# Altium PCB PCB_MotherBoard.PcbDoc (part 2 of 4) (continued)
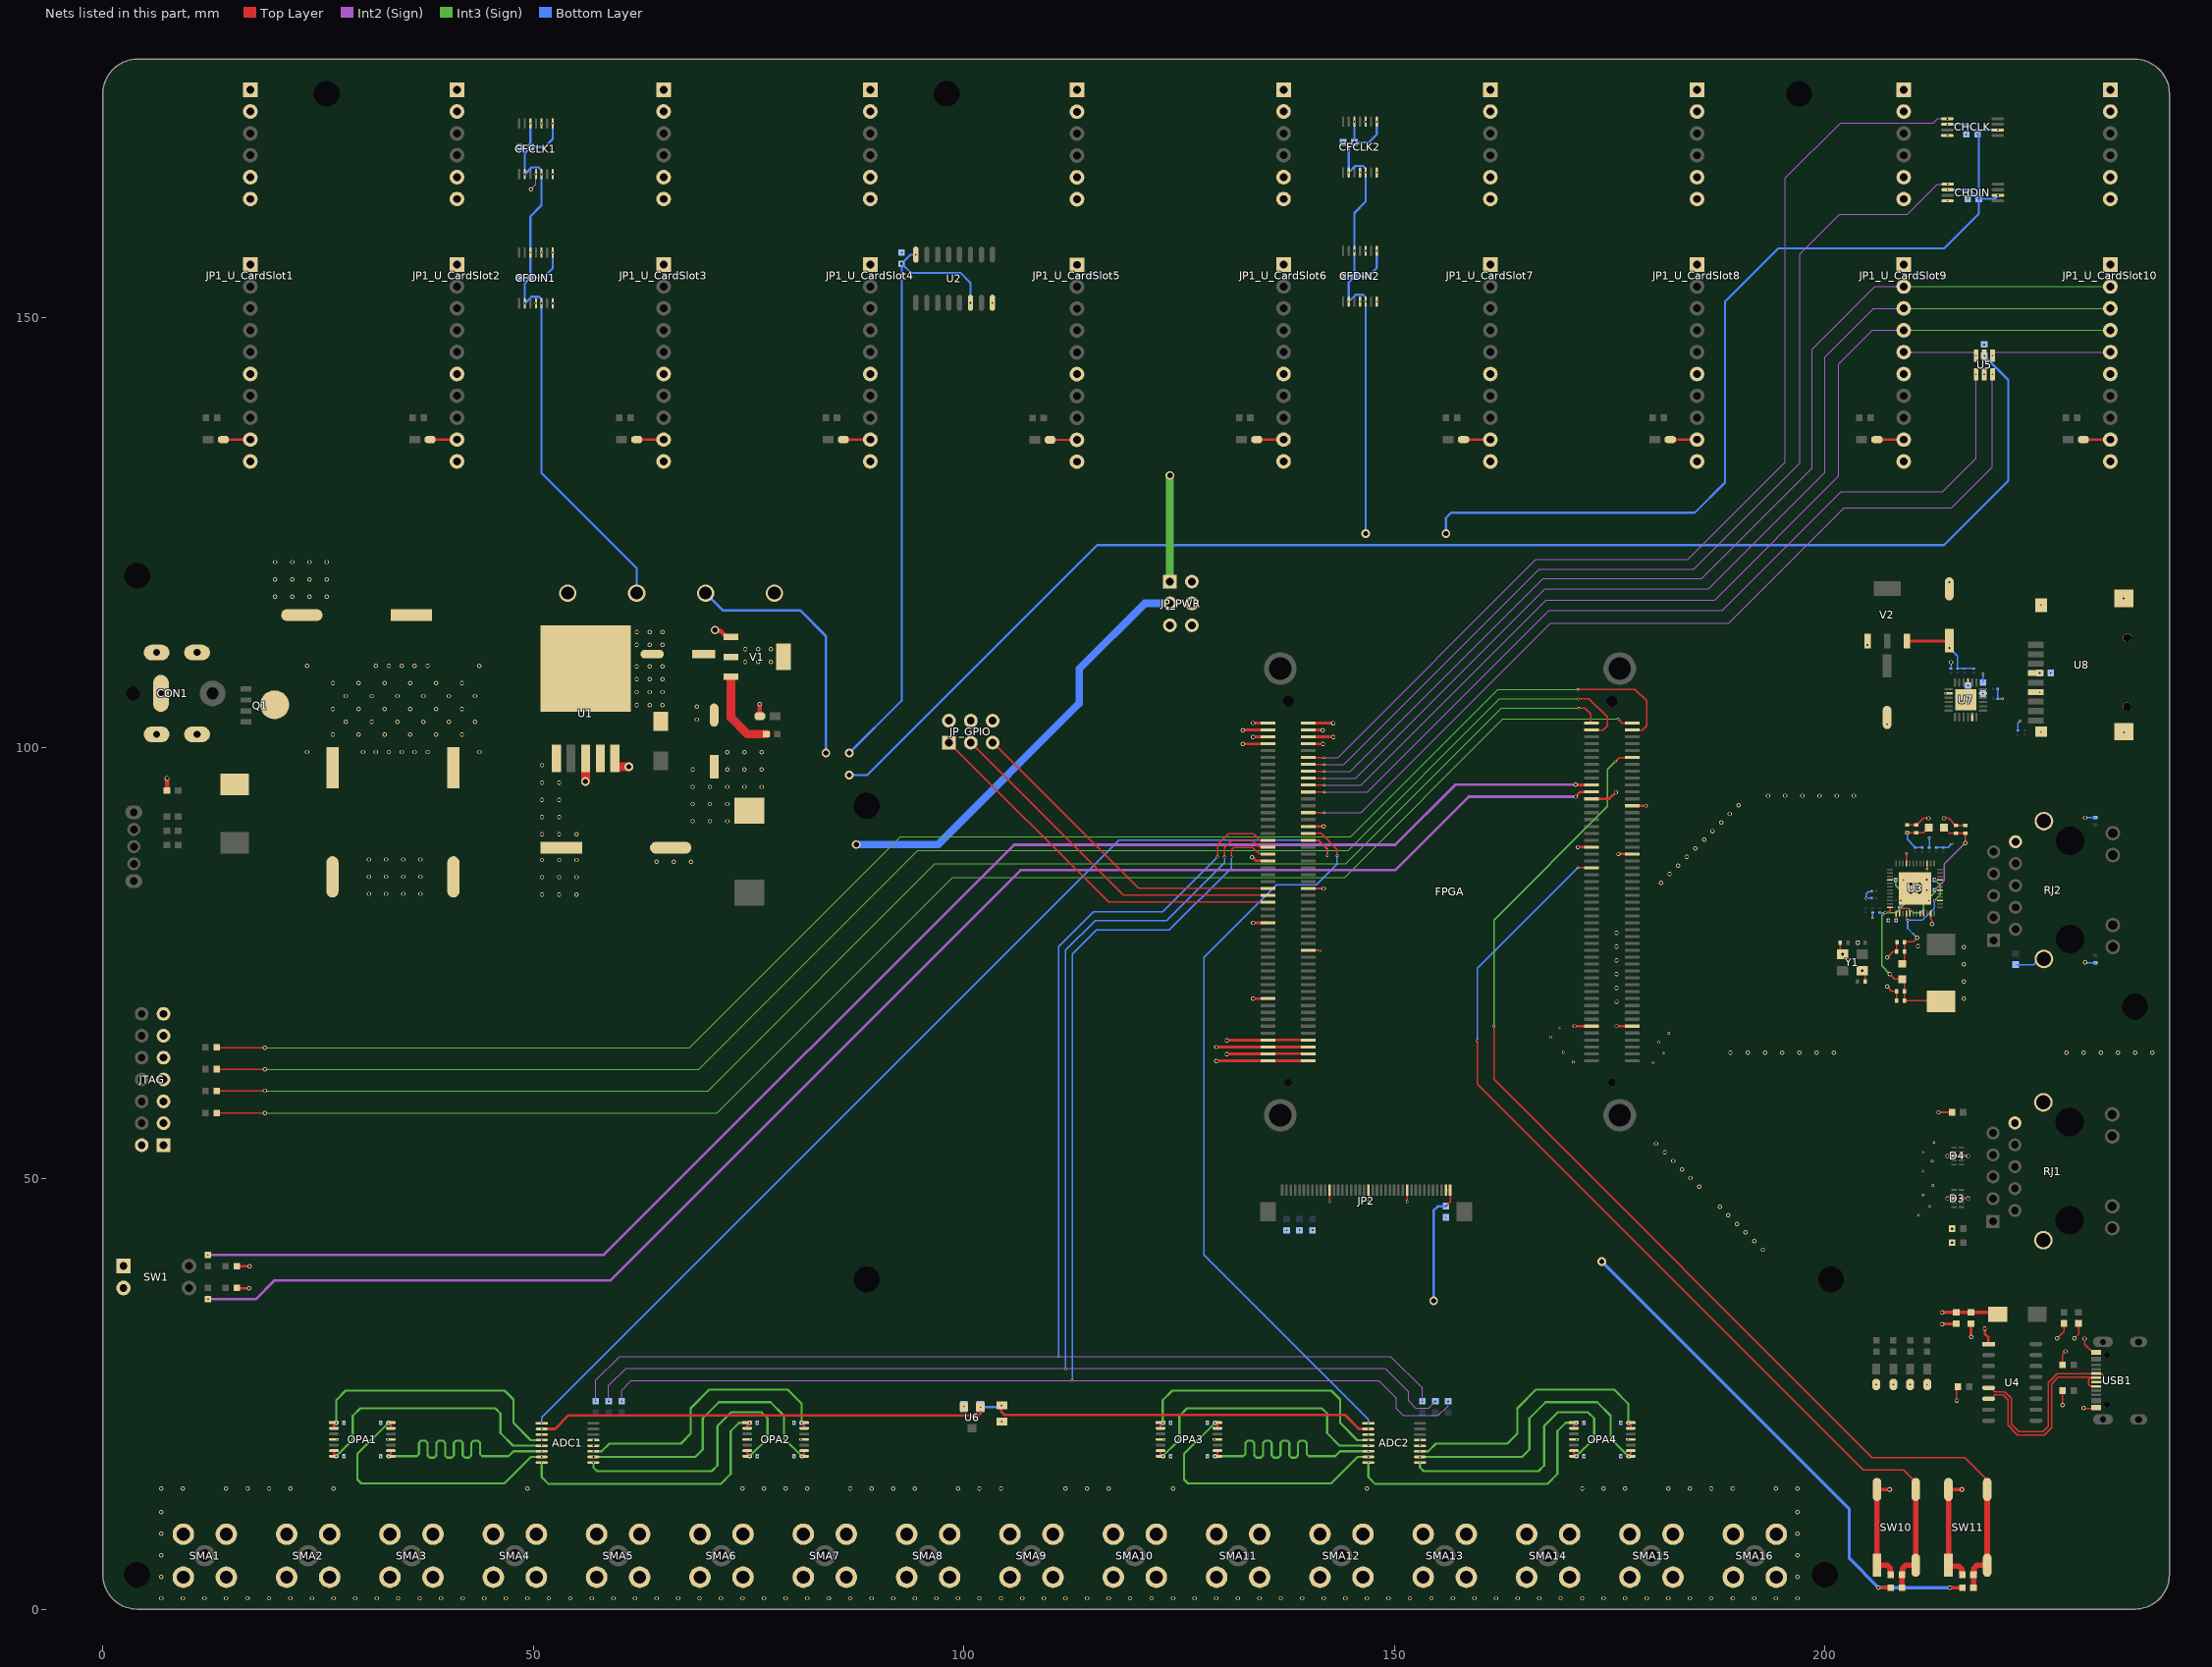
[diagram p6: the nets of this part, all layers, seen from the top]
## Nets (pads, with @x,y where several pads share a name; then routed paths per layer and width w, separated by ;. In a path a pad name is that pad's centre, name@x,y a point inside that pad or via, vN(x,y) a via of type N, cw(c..) or ccw(c..) an arc to the next point about the centre after c; other vN are vias at no path point) (continued)
  other v8: 54,118
AD_CLK: FPGA.J1_65 R29.2 R32.2 | length 181.2
  Top Layer w0.156: v1(129.45,87.35) 129.45,88.813 130.712,90.075 133.62,90.075 134.395,89.3 FPGA.J1_65@135.316,89.3
  Int2 (Sign) w0.142: v1(57.25,24.125) 57.25,26.575 60.025,29.35 v1(111,29.35) 149.558,29.35 153.25,25.658 v1(153.25,24.125)
  Bottom Layer w0.156: v1(111,29.35) 111,76.925 115.075,81 123.1,81 v1(129.45,87.35)
AD_CS0: ADC1.1 FPGA.J1_66 | length 124.3
  Top Layer w0.156: FPGA.J1_66@140.016,89.3 141.225,89.3 142.175,88.35 v1(142.175,87.5)
  Bottom Layer w0.156: v1(50.971,21.575) 50.971,22.246 118.025,89.3 141.15,89.3 142.175,88.275 v1(142.175,87.5)
AD_CS1: ADC2.1 FPGA.J1_68 | length 87.8
  Top Layer w0.156: FPGA.J1_68@140.016,90.1 141.5,90.1 143.35,88.25 v1(143.35,87.475)
  Bottom Layer w0.156: v1(143.35,87.475) 143.35,86.525 140.95,84.125 136.325,84.125 127.875,75.675 127.875,41.125 146.971,22.029 v1(146.971,21.575)
AD_MISO: FPGA.J1_63 R30.2 R33.2 | length 180.2
  Top Layer w0.156: v1(130.25,87.35) 130.25,88.481 131.044,89.275 133.539,89.275 134.313,88.5 FPGA.J1_63@135.316,88.5
  Int2 (Sign) w0.142: v1(58.75,24.125) 58.75,25.95 60.75,27.95 111.8,27.95 v1(111.825,27.925) 111.85,27.95 148.9,27.95 151.625,25.225 151.625,24.2 152.45,23.375 153.975,23.375 154.725,24.125 v1(154.75,24.125)
  Bottom Layer w0.156: v1(111.825,27.925) 111.825,76.525 115.25,79.95 123.525,79.95 130.25,86.675 v1(130.25,87.35)
AD_MOSI: FPGA.J1_61 R31.2 R34.2 | length 180.1
  Top Layer w0.156: v1(131.05,87.35) 131.05,88.15 131.375,88.475 133.539,88.475 134.313,87.7 FPGA.J1_61@135.316,87.7
  Int2 (Sign) w0.142: v1(60.25,24.125) 60.25,25.425 61.35,26.525 v1(112.575,26.525) 148.2,26.525 150.25,24.475 150.25,23.275 151.05,22.475 155.1,22.475 156.25,23.625 v1(156.25,24.125)
  Bottom Layer w0.156: v1(112.575,26.525) 112.575,76.075 115.375,78.875 123.85,78.875 131.05,86.075 v1(131.05,87.35)
AIN1: ADC1.4 C1LP.1 OPA1.1 OPA1.2 | length 31.6
  Top Layer w0.254: OPA1.2@26.846,21 OPA1.1@26.846,21.65
  Int3 (Sign) w0.254: v1(27.1,21.625) 27.1,24.275 28.2,25.375 46.675,25.375 47.7,24.35 47.7,21.625 49.7,19.625 v1(50.971,19.625)
AIN2: ADC1.5 C2LP.2 OPA1.6 OPA1.7 | length 31.6
  Top Layer w0.254: OPA1.7@26.846,17.75 OPA1.6@26.846,18.4
  Int3 (Sign) w0.254: v1(27.1,17.75) 29.025,19.675 29.025,22.45 29.9,23.325 45.575,23.325 46.175,22.725 46.175,20.425 47.625,18.975 v1(50.971,18.975)
AIN3: ADC1.6 C3LP.2 OPA1.8 OPA1.9 | length 31.7
  Top Layer w0.254: OPA1.8@33.446,17.75 OPA1.9@33.446,18.4
  Int3 (Sign) w0.254: v1(33.175,17.75) 36.325,17.75 36.452,17.75 36.706,18.004 36.706,19.309 36.96,19.563 37.468,19.563 37.722,19.309 37.722,17.854 37.976,17.6 38.484,17.6 38.738,17.854 38.738,19.309 38.992,19.563 39.5,19.563 39.754,19.309 39.754,17.854 40.008,17.6 40.516,17.6 40.77,17.854 40.77,19.309 41.024,19.563 41.532,19.563 41.786,19.309 41.786,17.854 42.04,17.6 42.548,17.6 42.802,17.854 42.802,19.309 43.056,19.563 43.564,19.563 43.818,19.309 43.818,18.004 44.072,17.75 44.634,17.75 47.125,17.75 47.7,18.325 v1(50.971,18.325)
AIN4: ADC1.7 C4LP.1 OPA1.13 OPA1.14 | length 31.6
  Top Layer w0.254: OPA1.13@33.446,21 33.45,21.004 33.45,21.646 OPA1.14@33.454,21.65
  Int3 (Sign) w0.254: v1(33.175,21.65) 29.575,18.05 29.575,15.05 30.025,14.6 46.65,14.6 49.725,17.675 v1(50.971,17.675)
AIN5: ADC1.8 C5LP.1 OPA2.1 OPA2.2 | length 32.7
  Top Layer w0.254: OPA2.2@74.846,21 OPA2.1@74.846,21.65
  Int3 (Sign) w0.254: v1(50.971,17.025) 50.971,15.329 51.775,14.525 71.75,14.525 72.925,15.7 72.925,20.675 73.9,21.65 v1(75.125,21.65)
AIN6: ADC1.9 C6LP.2 OPA2.6 OPA2.7 | length 32.7
  Top Layer w0.254: OPA2.7@74.846,17.75 OPA2.6@74.846,18.4
  Int3 (Sign) w0.254: v1(56.971,17.025) 56.971,16.454 57.4,16.025 70.725,16.025 71.375,16.675 71.375,21.275 72.95,22.85 76.5,22.85 77.2,22.15 77.2,19.825 v1(75.125,17.75)
AIN7: ADC1.10 C7LP.2 OPA2.8 OPA2.9 | length 33.8
  Top Layer w0.254: OPA2.8@81.446,17.75 OPA2.9@81.446,18.4
  Int3 (Sign) w0.254: v1(56.971,17.675) 68.825,17.675 69.675,18.525 69.675,22.15 71.55,24.025 77.55,24.025 79.1,22.475 79.1,19.825 v1(81.175,17.75)
AIN8: ADC1.11 C8LP.1 OPA2.13 OPA2.14 | length 32.4
  Top Layer w0.254: OPA2.13@81.446,21 81.45,21.004 81.45,21.646 OPA2.14@81.454,21.65
  Int3 (Sign) w0.254: v1(56.971,18.325) 57.925,18.325 58.825,19.225 67.125,19.225 68.275,20.375 68.275,23.325 70.45,25.5 79.5,25.5 81.15,23.85 v1(81.15,21.65)
AIN9: ADC2.4 C9LP.1 OPA3.1 OPA3.2 | length 31.6
  Top Layer w0.254: OPA3.2@122.846,21 OPA3.1@122.846,21.65
  Int3 (Sign) w0.254: v1@123.1,21.625 123.1,24.275 124.2,25.375 142.675,25.375 143.7,24.35 143.7,21.625 145.7,19.625 v1(146.971,19.625)
  other v1: 123.125,21.65
AIN10: ADC2.5 C10LP.2 OPA3.6 OPA3.7 | length 31.6
  Top Layer w0.254: OPA3.7@122.846,17.75 OPA3.6@122.846,18.4
  Int3 (Sign) w0.254: v1@123.1,17.75 125.025,19.675 125.025,22.45 125.9,23.325 141.575,23.325 142.175,22.725 142.175,20.425 143.625,18.975 v1(146.971,18.975)
  other v1: 123.125,17.75
AIN11: ADC2.6 C11LP.2 OPA3.8 OPA3.9 | length 31.7
  Top Layer w0.254: OPA3.8@129.446,17.75 OPA3.9@129.446,18.4
  Int3 (Sign) w0.254: v1(129.175,17.75) 132.325,17.75 132.452,17.75 132.706,18.004 132.706,19.309 132.96,19.563 133.468,19.563 133.722,19.309 133.722,17.854 133.976,17.6 134.484,17.6 134.738,17.854 134.738,19.309 134.992,19.563 135.5,19.563 135.754,19.309 135.754,17.854 136.008,17.6 136.516,17.6 136.77,17.854 136.77,19.309 137.024,19.563 137.532,19.563 137.786,19.309 137.786,17.854 138.04,17.6 138.548,17.6 138.802,17.854 138.802,19.309 139.056,19.563 139.564,19.563 139.818,19.309 139.818,18.004 140.072,17.75 140.634,17.75 143.125,17.75 143.7,18.325 v1(146.971,18.325)
AIN12: ADC2.7 C12LP.1 OPA3.13 OPA3.14 | length 31.6
  Top Layer w0.254: OPA3.13@129.446,21 129.45,21.004 129.45,21.646 OPA3.14@129.454,21.65
  Int3 (Sign) w0.254: v1(129.175,21.65) 125.575,18.05 125.575,15.05 126.025,14.6 142.65,14.6 145.725,17.675 v1(146.971,17.675)
AIN13: ADC2.8 C13LP.1 OPA4.1 OPA4.2 | length 32.7
  Top Layer w0.254: OPA4.2@170.846,21 OPA4.1@170.846,21.65
  Int3 (Sign) w0.254: v1(146.971,17.025) 146.971,15.329 147.775,14.525 167.75,14.525 168.925,15.7 168.925,20.675 169.9,21.65 v1@171.125,21.65
  other v1: 171.1,21.65
AIN14: ADC2.9 C14LP.2 OPA4.6 OPA4.7 | length 32.7
  Top Layer w0.254: OPA4.7@170.846,17.75 OPA4.6@170.846,18.4
  Int3 (Sign) w0.254: v1(152.971,17.025) 152.971,16.454 153.4,16.025 166.725,16.025 167.375,16.675 167.375,21.275 168.95,22.85 172.5,22.85 173.2,22.15 173.2,19.825 v1(171.125,17.75)
AIN15: ADC2.10 C15LP.2 OPA4.8 OPA4.9 | length 33.8
  Top Layer w0.254: OPA4.8@177.446,17.75 OPA4.9@177.446,18.4
  Int3 (Sign) w0.254: v1(152.971,17.675) 164.825,17.675 165.675,18.525 165.675,22.15 167.55,24.025 173.55,24.025 175.1,22.475 175.1,19.825 v1@177.175,17.75
  other v1: 177.2,17.75
AIN16: ADC2.11 C16LP.1 OPA4.13 OPA4.14 | length 32.4
  Top Layer w0.254: OPA4.13@177.446,21 177.45,21.004 177.45,21.646 OPA4.14@177.454,21.65
  Int3 (Sign) w0.254: v1(152.971,18.325) 153.925,18.325 154.825,19.225 163.125,19.225 164.275,20.375 164.275,23.325 166.45,25.5 175.5,25.5 177.15,23.85 v1@177.15,21.65
  other v1: 177.2,21.65
BOOT_MODE0: FPGA.J2_81 R10.2 | length 183.3
  Top Layer w0.305: v2(171.025,95.75) 171.05,95.725 172.877,95.725 FPGA.J2_81@172.9,95.702
  Int2 (Sign) w0.305: v1@12.21,41.14 58.19,41.14 105.825,88.775 150.1,88.775 157.075,95.75 v2(171.025,95.75)
  other v1: 12.2,41.125
BOOT_MODE1: FPGA.J2_79 R11.2 | length 185.1
  Top Layer w0.305: v2(171.05,94.35) 171.05,94.358 171.593,94.901 FPGA.J2_79@172.9,94.901
  Int2 (Sign) w0.305: v1(12.225,36) 12.21,36 17.741,36 19.9,38.159 58.909,38.159 106.575,85.825 150.1,85.825 158.625,94.35 v2(171.05,94.35)
BTN0: C38.2 FPGA.J2_57 R51.1 SW10.2 SW10.3 | length 115.2
  Top Layer w0.156: v1(159.652,66.023) 159.652,60.973 204.445,16.18 209.093,16.18 SW10.3@210.539,14.733 ; v1(171.323,86.106) 171.326,86.103 172.897,86.103 FPGA.J2_57@172.9,86.1
  Top Layer w0.635: R51.1@208.95,2.5 C38.2@208.95,4 209,4.05 209,4.728 209.372,5.1 SW10.2@210.539,5.1 SW10.3@210.539,13.9 210.539,14.733 SW10.3@210.539,14.75
  Bottom Layer w0.156: v1(159.652,66.023) 159.652,74.435 v1(171.323,86.106)
BTN1: C39.2 FPGA.J2_90 R52.1 SW11.2 SW11.3 | length 135.3
  Top Layer w0.156: v1(161.544,67.691) 161.544,61.519 205.486,17.577 216.24,17.577 218.839,14.978 SW11.3@218.839,13.9 ; v1(175.692,98.501) 176.093,98.902 FPGA.J2_90@177.6,98.902
  Top Layer w0.635: R52.1@217.25,2.5 C39.2@217.25,4 217.3,4.05 217.3,4.728 217.672,5.1 SW11.2@218.839,5.1 SW11.3@218.839,13.9
  Int3 (Sign) w0.156: v1(161.544,67.691) 161.544,80.035 174.725,93.216 174.725,97.534 v1(175.692,98.501)
CH340_N: U4.6 USB1.A7 USB1.B7 | length 24.1
  Top Layer w0.164: U4.6@218.999,24.425 219.429,24.425 219.548,24.544 219.548,24.683 219.728,24.862 220.718,24.862 221.251,24.33 221.251,21.33 222.251,20.33 222.366,20.214 225.493,20.214 226.345,21.066 226.345,26.166 227.099,26.92 USB1.A7@230.942,26.92 ; USB1.A7@231.448,26.896 231.39,26.838 230.835,26.838 230.627,26.63 230.627,26.104 230.835,25.896 231.448,25.896 USB1.B7@231.477,25.867
CH340_P: U4.5 USB1.A6 USB1.B6 | length 24.7
  Top Layer w0.164: U4.5@218.999,25.695 219.429,25.695 219.548,25.575 219.548,25.436 219.728,25.257 220.881,25.257 221.53,24.609 221.645,24.493 221.645,21.493 222.53,20.609 225.33,20.609 225.951,21.23 225.951,26.33 226.935,27.314 230.94,27.314 230.964,27.338 231.447,27.338 USB1.B6@231.476,27.367 231.505,27.338 232.118,27.338 232.326,27.13 232.326,26.571 232.151,26.396 231.505,26.396 USB1.A6@231.476,26.367
FPGA_TCK: FPGA.J2_99 R5.2 | length 179.3
  Top Layer w0.156: R5.2@13.236,60.169 v2@18.769,60.169 ; v1(171.375,104.625) 172.1,104.625 172.78,103.945 172.78,102.999 172.877,102.902 FPGA.J2_99@172.9,102.902
  Int3 (Sign) w0.142: v2(18.8,60.2) 18.831,60.169 70.277,60.169 96.658,86.55 144.35,86.55 162.425,104.625 v1(171.375,104.625)
FPGA_TDI: FPGA.J2_98 R7.2 | length 188.6
  Top Layer w0.156: R7.2@13.285,65.2 v2(18.8,65.2) ; v1(171.325,106.825) 177.925,106.825 179.275,105.475 179.275,102.575 178.802,102.102 FPGA.J2_98@177.6,102.102
  Int3 (Sign) w0.142: v2(18.8,65.2) 68.124,65.2 92.623,89.699 144.924,89.699 162.05,106.825 v1(171.325,106.825)
FPGA_TDO: FPGA.J2_97 R6.2 | length 183.2
  Top Layer w0.156: R6.2@13.31,62.7 v2(18.8,62.7) ; v1(171.35,105.7) 171.375,105.725 172.6,105.725 174.725,103.6 174.725,102.575 174.252,102.102 FPGA.J2_97@172.9,102.102
  Int3 (Sign) w0.142: v2@18.8,62.709 69.225,62.709 94.64,88.125 144.625,88.125 162.2,105.7 v1(171.35,105.7)
FPGA_TMS: FPGA.J2_100 R4.2 | length 183.5
  Top Layer w0.156: R4.2@13.236,57.629 v2@18.8,57.629 ; v1(176,103.375) 176.473,102.902 FPGA.J2_100@177.6,102.902
  Int3 (Sign) w0.142: v2(18.8,57.6) 71.3,57.6 98.675,84.975 144.225,84.975 162.625,103.375 v1(176,103.375)
GND: ADC1.3 ADC1.12 ADC2.3 ADC2.12 C1HCLK.1 C1HDIN.1 C1LCLK.1 C1LDIN.1 C1LP.2 C2.2 C2LCLK.1 C2LDIN.1 C2LP.1 C3.2 C3LP.1 C4.2 C4LP.2 C5.2 C5LP.2 C6.2 C6LP.1 C7.2 C7LP.1 C8.2 C8LP.2 C9.2 C9LP.2 C10.1 C10LP.1 C11.1 C11LP.1 C12.1 C12LP.2 C13.1 C13LP.2 C14.1 C14LP.1 C15.1 C15LP.1 C16.2 C16LP.2 C17.1 C18.1 C19.1 C20.1 C21.1 C22.1 C23.1 C24.2 C25.1 C26.1 C27.1 C28.1 C29.1 C30.2 C31.2 C32.2 C33.1 C34.1 C35.1 C36.2 C37.1 C38.1 C39.1 C40.1 C41.1 CFCLK1.4 CFCLK1.7 CFCLK1.10 CFCLK2.4 CFCLK2.7 CFCLK2.10 CFDIN1.4 CFDIN1.7 CFDIN1.10 CFDIN2.4 CFDIN2.7 CFDIN2.10 CHCLK.4 CHDIN.4 CON1.0 CON1.2 D2.1 D3.3 D3.8 D4.3 D4.8 FPGA.J1_19 FPGA.J1_34 FPGA.J1_41 FPGA.J1_52 FPGA.J1_59 FPGA.J1_70 FPGA.J1_93 FPGA.J1_94 FPGA.J1_95 FPGA.J1_96 FPGA.J1_97 FPGA.J1_98 FPGA.J1_99 FPGA.J1_100 FPGA.J2_11 FPGA.J2_12 FPGA.J2_62 FPGA.J2_63 FPGA.J2_76 FPGA.J2_77 JP1_U_CardSlot1.2 JP1_U_CardSlot1.5 JP1_U_CardSlot1.7 JP1_U_CardSlot1.12 JP1_U_CardSlot1.15 JP1_U_CardSlot2.2 JP1_U_CardSlot2.5 JP1_U_CardSlot2.7 JP1_U_CardSlot2.12 JP1_U_CardSlot2.15 JP1_U_CardSlot3.2 JP1_U_CardSlot3.5 JP1_U_CardSlot3.7 JP1_U_CardSlot3.12 JP1_U_CardSlot3.15 JP1_U_CardSlot4.2 JP1_U_CardSlot4.5 JP1_U_CardSlot4.7 JP1_U_CardSlot4.12 JP1_U_CardSlot4.15 JP1_U_CardSlot5.2 JP1_U_CardSlot5.5 JP1_U_CardSlot5.7 JP1_U_CardSlot5.12 JP1_U_CardSlot5.15 JP1_U_CardSlot6.2 JP1_U_CardSlot6.5 JP1_U_CardSlot6.7 JP1_U_CardSlot6.12 JP1_U_CardSlot6.15 JP1_U_CardSlot7.2 JP1_U_CardSlot7.5 JP1_U_CardSlot7.7 JP1_U_CardSlot7.12 JP1_U_CardSlot7.15 JP1_U_CardSlot8.2 JP1_U_CardSlot8.5 JP1_U_CardSlot8.7 JP1_U_CardSlot8.12 JP1_U_CardSlot8.15 JP1_U_CardSlot9.2 JP1_U_CardSlot9.5 JP1_U_CardSlot9.7 JP1_U_CardSlot9.12 JP1_U_CardSlot9.15 JP1_U_CardSlot10.2 JP1_U_CardSlot10.5 JP1_U_CardSlot10.7 JP1_U_CardSlot10.12 JP1_U_CardSlot10.15 JP2.12 JP2.21 JP2.30 JP_GPIO.2 JP_GPIO.4 JP_GPIO.6 JP_PWR.2 JP_PWR.4 JP_PWR.6 JTAG.1 JTAG.3 JTAG.5 JTAG.7 JTAG.9 JTAG.11 JTAG.13 LED0.2 LED0_U_CardSlot1.2 LED0_U_CardSlot2.2 LED0_U_CardSlot3.2 LED0_U_CardSlot4.2 LED0_U_CardSlot5.2 LED0_U_CardSlot6.2 LED0_U_CardSlot7.2 LED0_U_CardSlot8.2 LED0_U_CardSlot9.2 LED0_U_CardSlot10.2 OPA1.11 OPA2.11 OPA3.11 OPA4.11 PLED0.2 PLED1.2 PLED2.2 PLED3.2 R3.1 R14.2 R18.2 R20.2 R22.2 R35.1 R36.1 R39.1 RJ1.10 RJ1.15 RJ1.16 RJ2.10 RJ2.15 RJ2.16 SMA1.2 SMA1.3 SMA2.2 SMA2.3 SMA3.2 SMA3.3 SMA4.2 SMA4.3 SMA5.2 SMA5.3 SMA6.2 SMA6.3 SMA7.2 SMA7.3 SMA8.2 SMA8.3 SMA9.2 SMA9.3 SMA10.2 SMA10.3 SMA11.2 SMA11.3 SMA12.2 SMA12.3 SMA13.2 SMA13.3 SMA14.2 SMA14.3 SMA15.2 SMA15.3 SMA16.2 SMA16.3 SW1.1 SW1.2 SW10.1 SW10.4 SW11.1 SW11.4 U1.3 U1.5 U2.8 U3.47 U3.49 U4.1 U5.2 U6.2 U7.2 U7.11 U7.25 U8.0 U8.6 USB1.A1 USB1.A12 USB1.B1 USB1.B12 V1.1 V2.1 Y1.2 Y1.4 | length 157.7
  Top Layer w0.156: JP2.12@142.475,48.65 142.488,48.637 142.488,47.337 v1(142.5,47.325) ; v1(146.975,47.325) JP2.21@146.975,48.65 ; JP2.30@151.475,48.65 151.487,48.637 151.487,47.337 v1(151.5,47.325) ; C9.2@201.75,77.4 201.75,76.35 v2(202.05,76.05) ; v2(204.35,74.15) 204.65,73.85 C16.2@204.65,72.9 ; v2(207.225,72.3) 207.775,71.75 C17.1@208.325,71.75 C19.1@208.325,70.65 ; v2(207.225,75.675) 207.9,76.35 C22.1@208.339,76.35 208.345,76.355 208.345,77.445 C21.1@208.35,77.45 ; C10.1@209.55,91.052 C12.1@210.617,91.052 210.667,91.052 211.461,91.846 v2(212.039,91.846) ; v2(213.817,91.846) 214.356,91.846 215.172,91.03 C13.1@215.222,91.03 215.228,91.025 216.317,91.025 C15.1@216.322,91.019 ; v2(215.3,24.225) C25.1@215.3,25.675
  Top Layer w0.18: U3.47@212.268,80.792 212.284,80.776 212.284,80.138 212.425,79.997 v2(212.425,79.575) ; v6(214.225,47.7) D3.8@215.002,47.701 ; v6(214.225,52.625) D4.8@215.002,52.625 ; C31.2@214.675,44.075 v6(214.775,44.175) ; D3.3@215.825,47.701 215.828,47.703 216.618,47.703 v6(216.621,47.706) ; D4.3@215.825,52.625 v6(216.625,52.625) ; v2(226.951,31.43) 227.751,32.23 C26.1@227.751,33.18 ; v2(227.584,23.698) 227.584,25.35 R35.1@227.601,25.367 ; R36.1@227.601,28.367 227.601,29.545 227.951,29.895 v2(227.951,29.93) ; v2(228.951,31.43) 229.451,31.93 C27.1@229.451,33.18 ; v2(230.149,31.42) 230.149,30.759 230.881,30.027 231.416,30.027 USB1.A12@231.476,29.967 USB1.B1@231.476,29.667 ; v2@230.166,23.267 USB1.A1@231.477,23.267 USB1.B12@231.477,23.567
  Top Layer w0.254: LED0_U_CardSlot1.2@14.014,135.83 JP1_U_CardSlot1.15@17.125,135.83 ; LED0_U_CardSlot2.2@38.014,135.83 JP1_U_CardSlot2.15@41.125,135.83 ; LED0_U_CardSlot3.2@62.014,135.83 JP1_U_CardSlot3.15@65.125,135.83 ; LED0_U_CardSlot4.2@86.014,135.83 JP1_U_CardSlot4.15@89.125,135.83 ; LED0_U_CardSlot5.2@110.014,135.805 JP1_U_CardSlot5.15@113.125,135.805 ; LED0_U_CardSlot6.2@134.014,135.83 JP1_U_CardSlot6.15@137.125,135.83 ; FPGA.J1_34@140.016,76.5 v1(141.375,76.5) ; FPGA.J1_52@140.016,83.7 v2@141.7,83.7 ; LED0_U_CardSlot7.2@158.032,135.825 JP1_U_CardSlot7.15@161.143,135.825 ; LED0_U_CardSlot8.2@182.032,135.825 JP1_U_CardSlot8.15@185.143,135.825 ; LED0_U_CardSlot9.2@206.032,135.825 JP1_U_CardSlot9.15@209.143,135.825 ; LED0_U_CardSlot10.2@230.032,135.825 JP1_U_CardSlot10.15@233.143,135.825
  Top Layer w0.305: U6.2@99.95,23.55 U6.2@100,23.5 ; v2(132.4,100.5) 132.401,100.501 FPGA.J1_93@135.316,100.501 ; v2@132.401,102.101 FPGA.J1_97@135.316,102.101 ; v2(133.475,87.325) 133.528,87.325 133.953,86.9 FPGA.J1_59@135.316,86.9 ; v2(133.6,70.9) FPGA.J1_19@135.316,70.9 ; v2@133.6,79.7 FPGA.J1_41@135.316,79.7 ; v2@133.601,101.301 FPGA.J1_95@135.316,101.301 ; v2@133.601,102.901 FPGA.J1_99@135.316,102.901 ; FPGA.J1_70@140.016,90.9 v2(141.8,90.9) ; FPGA.J1_94@140.016,100.501 v2@141.699,100.5 ; FPGA.J1_96@140.016,101.301 v2@142.899,101.3 ; FPGA.J1_98@140.017,102.1 v2(141.693,102.099) ; FPGA.J1_100@140.017,102.9 v2@142.892,102.9 ; v6(170.9,67.7) FPGA.J2_11@172.9,67.7 ; v6@171.3,88.5 FPGA.J2_63@172.9,88.501 ; FPGA.J2_77@172.901,94.101 174.951,94.101 v6(175.725,94.875) ; v6(175.8,67.7) FPGA.J2_12@177.6,67.7 ; v6(176,87.7) FPGA.J2_62@177.599,87.701 ; FPGA.J2_76@177.6,93.301 v6@179.199,93.3 ; v2(213.6,33.1) 213.627,33.127 215.224,33.127 C28.1@215.251,33.155 ; C29.1@216.951,33.155 216.963,33.143 216.963,31.637 v2(216.975,31.625) ; v2(218.55,32.575) 218.587,32.538 218.587,31.935 218.999,31.524 U4.1@218.999,30.775 ; v2(230.051,23.33) v2@230.104,23.33
  Top Layer w0.381: SW10.4@206.039,13.9 v2(207.5,13.9) ; SW11.4@214.339,13.9 v2(215.9,13.9)
  Top Layer w0.508: R3.1@7.45,95.05 v9(7.45,96.475) ; v5(71.1,113.7) 71.194,113.606 71.756,113.606 72.474,112.889 V1.1@72.949,112.889 ; v2(76.3,105.1) 76.308,105.092 LED0.2@76.308,103.718
  Top Layer w0.635: SW10.4@206.039,13.9 SW10.1@206.039,5.1 207.228,5.1 207.6,4.728 207.6,4.05 C38.1@207.65,4 ; SW11.4@214.339,13.9 SW11.1@214.339,5.1 214.439,5 215.528,5 215.9,4.628 215.9,4.05 C39.1@215.95,4
  Top Layer w1.016: v5(56.055,96.123) 56.055,98.808 U1.3@56.072,98.825 ; U1.5@59.472,98.825 59.472,97.842 59.489,97.825 v5(61.1,97.825)
  Int2 (Sign) w0.142: v2(49.7,164.9) 50.299,165.499 v1(50.299,166.65)
  Bottom Layer w0.156: v1(205.537,80.289) 205.543,80.296 205.543,80.893 C23.1@205.549,80.899 ; R20.2@208.6,81.5 208.6,81.525 208.8,81.725 v1(208.8,82.3) ; R22.2@212.115,88.464 v1@212.115,89.585 ; R39.1@214.625,109.25 214.627,109.252 214.627,109.979 v2(214.63,109.982) ; C35.1@218.364,107.62 v1(218.364,108.61) ; C30.2@222.15,74.85 224.23,74.85 224.887,75.506 RJ2.15@225.429,75.506
  other v1: 28,17.75 32.275,17.75 76.025,17.75 80.275,17.75 124.025,17.75 128.275,17.75 172.025,17.75 176.3,17.75 56.971,18.975 152.971,18.975 33.1,19.7 81.1,19.7 129.1,19.7 177.125,19.7 50.971,20.275 146.971,20.275 28,21.625 32.275,21.65 76.025,21.65 80.25,21.65 124.025,21.65 128.275,21.65 172,21.65 176.3,21.65 100,23.525 205.968,26.087 207.935,26.087 209.901,26.087 211.868,26.087 137.475,43.975 155.975,45.475 210.9,45.75 212.125,46.775 211.4,48.1 212.55,49.2 211.325,50.9 212.45,52.025 211.475,53.125 212.65,54.2 180.05,63.5 170.775,63.55 181.225,64.575 169.625,64.65 180.7,65.8 168.15,66.375 181.875,66.875 169.225,67.55 207.366,79.985 212.09,82.296 211.825,83.49 209.129,84.684 211.825,84.709 212.115,89.586 234.721,101.829 225.095,101.854 207.213,102.768 217.094,103.962 216.611,105.954 213.995,106.35 224.968,106.477 226.227,108.712 204.927,111.963 225.095,116.611 234.696,117.373 214.452,119.278 218.5,143.425 218.5,146.875 50.299,151.65 52.249,151.65 103.31,151.712 145.999,151.85 147.949,151.85 48.35,154.65 144,154.775 50.949,157.55 92.775,157.55 146.649,157.75 214.238,163.544 216.575,163.8 52.249,166.65 145.999,166.85 147.949,166.85 48.375,169.775 144.05,170.35 214.254,171.144 216.425,171.275 50.949,172.55 146.649,172.75
  other v2: 192.779,41.739 191.779,42.739 190.779,43.739 189.779,44.739 188.779,45.739 187.779,46.739 185.388,49.054 184.388,50.054 183.388,51.054 182.388,52.054 181.388,53.054 180.388,54.054 189.025,64.625 191.025,64.625 193.025,64.625 195.025,64.625 197.025,64.625 199.025,64.625 201.025,64.625 228.025,64.625 230.025,64.625 232.025,64.625 234.025,64.625 236.025,64.625 238.025,64.625 216.15,70.9 175.793,72.153 216.15,72.9 175.793,73.744 216.15,74.9 175.793,75.336 216.15,76.9 175.793,76.928 210.795,76.987 203.8,77.4 175.793,78.52 133.6,79.7 30.882,83.063 32.882,83.063 34.882,83.063 36.882,83.063 141.8,83.7 180.953,84.357 30.882,85.063 32.882,85.063 34.882,85.063 36.882,85.063 181.953,85.357 182.953,86.357 64.3,86.8 66.3,86.8 68.3,86.8 30.882,87.063 32.882,87.063 34.882,87.063 36.882,87.063 183.953,87.357 184.953,88.357 185.953,89.357 186.953,90.357 187.953,91.357 188.953,92.357 189.953,93.357 193.378,94.463 195.378,94.463 197.378,94.463 199.378,94.463 201.378,94.463 203.378,94.463 141.699,100.499 133.6,101.3 142.899,101.299 132.394,102.1 133.594,102.9 142.893,102.899 69,103.3 69,104.8 62,105 63.5,105 65,105 62,106.5 63.5,106.5 65,106.5 62,108 63.5,108 65,108 62,109.5 63.5,109.5 65,109.5 62,112 63.5,112 65,112 62,113.5 63.5,113.5 65,113.5 20,117.6 22,117.6 24,117.6 26,117.6 20,119.6 22,119.6 24,119.6 26,119.6 20,121.6 22,121.6 24,121.6 26,121.6
  other v3: 6.8,1.25 9.3,1.25 11.8,1.25 14.3,1.25 16.8,1.25 19.3,1.25 21.8,1.25 24.3,1.25 26.8,1.25 29.3,1.25 31.8,1.25 34.3,1.25 36.8,1.25 39.3,1.25 41.8,1.25 44.3,1.25 46.8,1.25 49.3,1.25 51.8,1.25 54.3,1.25 56.8,1.25 59.3,1.25 61.8,1.25 64.3,1.25 66.8,1.25 69.3,1.25 71.8,1.25 74.3,1.25 76.8,1.25 79.3,1.25 81.8,1.25 84.3,1.25 86.8,1.25 89.3,1.25 91.8,1.25 94.3,1.25 96.8,1.25 99.3,1.25 101.8,1.25 104.3,1.25 106.8,1.25 109.3,1.25 111.8,1.25 114.3,1.25 116.8,1.25 119.3,1.25 121.8,1.25 124.3,1.25 126.8,1.25 129.3,1.25 131.8,1.25 134.3,1.25 136.8,1.25 139.3,1.25 141.8,1.25 144.3,1.25 146.8,1.25 149.3,1.25 151.8,1.25 154.3,1.25 156.8,1.25 159.3,1.25 161.8,1.25 164.3,1.25 166.8,1.25 169.3,1.25 171.8,1.25 174.3,1.25 176.8,1.25 179.3,1.25 181.8,1.25 184.3,1.25 186.8,1.25 189.3,1.25 191.8,1.25 194.3,1.25 196.8,1.25 6.8,3.75 196.8,3.75 6.8,6.25 196.8,6.25 6.8,8.75 196.8,8.75 6.8,11.25 196.8,11.25 6.8,14 9.3,14 14.3,14 16.8,14 19.3,14 21.8,14 26.8,14 49.3,14 74.3,14 76.8,14 79.3,14 81.8,14 86.8,14 89.3,14 91.8,14 94.3,14 99.3,14 101.8,14 104.3,14 111.8,14 114.3,14 116.8,14 124.3,14 146.8,14 171.8,14 174.3,14 176.8,14 181.8,14 184.3,14 186.8,14 189.3,14 194.3,14 196.8,14
  other v6: 175.793,70.536 171.3,88.5 179.2,93.3
  other v7: 209.968,83.2 210.968,83.2 209.968,84.2 210.968,84.2
  other v8: 78,118
GPIO0: FPGA.J1_47 JP_GPIO.1 | length 44.7
  Top Layer w0.156: JP_GPIO.1@98.26,100.63 116.79,82.1 FPGA.J1_47@135.316,82.1
GPIO1: FPGA.J1_49 JP_GPIO.3 | length 41.9
  Top Layer w0.156: JP_GPIO.3@100.8,100.63 118.53,82.9 FPGA.J1_49@135.316,82.9
GPIO2: FPGA.J1_51 JP_GPIO.5 | length 39
  Top Layer w0.156: JP_GPIO.5@103.34,100.63 120.27,83.7 FPGA.J1_51@135.316,83.7
HAD0: FPGA.J1_86 JP1_U_CardSlot9.8 JP1_U_CardSlot10.8 | length 124.5
  Top Layer w0.156: FPGA.J1_86@140.016,97.301 v1(141.85,97.301)
  Int2 (Sign) w0.142: v1(141.85,97.301) 144.851,97.301 167.257,119.707 185.707,119.707 198.5,132.5 198.5,146.3 205.805,153.605 JP1_U_CardSlot9.8@209.143,153.605
  Int3 (Sign) w0.142: JP1_U_CardSlot9.8@209.143,153.605 JP1_U_CardSlot10.8@233.143,153.605
HAD1: FPGA.J1_84 JP1_U_CardSlot9.9 JP1_U_CardSlot10.9 | length 123.6
  Top Layer w0.156: FPGA.J1_84@140.016,96.501 v1(141.85,96.501)
  Int2 (Sign) w0.142: v1(141.85,96.501) 145.476,96.501 167.475,118.5 186.5,118.5 200,132 200,145.4 205.665,151.065 JP1_U_CardSlot9.9@209.143,151.065
  Int3 (Sign) w0.142: JP1_U_CardSlot9.9@209.143,151.065 JP1_U_CardSlot10.9@233.143,151.065
HAD2: FPGA.J1_82 JP1_U_CardSlot9.10 JP1_U_CardSlot10.10 | length 122.6
  Top Layer w0.156: FPGA.J1_82@140.016,95.701 v1(141.85,95.701)
  Int2 (Sign) w0.142: v1(141.85,95.701) 146.108,95.701 167.607,117.2 187.2,117.2 201.6,131.6 201.6,144.6 205.525,148.525 JP1_U_CardSlot9.10@209.143,148.525
  Int3 (Sign) w0.142: JP1_U_CardSlot9.10@209.143,148.525 JP1_U_CardSlot10.10@233.143,148.525
HAD3: FPGA.J1_80 U5.1 | length 103.4
  Top Layer w0.156: FPGA.J1_80@140.016,94.9 v1(141.85,94.9)
  Int2 (Sign) w0.142: v1(141.85,94.9) 146.85,94.9 167.95,116 188.1,116 201.9,129.8 213.7,129.8 217.55,133.65 v1(217.55,143.425)
HCLK: CHCLK.1 FPGA.J1_90 | length 124.3
  Top Layer w0.156: FPGA.J1_90@140.016,98.901 v1(141.85,98.901)
  Int2 (Sign) w0.142: v1(141.85,98.901) 143.426,98.901 166.425,121.9 184.1,121.9 195.4,133.2 195.4,166.2 201.8,172.6 212.6,172.6 213.095,173.095 v1(214.213,173.095)
HCTR: FPGA.J1_74 U5.3 | length 106.8
  Top Layer w0.156: FPGA.J1_74@140.016,92.5 v1(141.85,92.5)
  Int2 (Sign) w0.142: v1(141.85,92.5) 146.125,92.5 168.125,114.5 188.8,114.5 202.2,127.9 214.7,127.9 219.45,132.65 v1(219.45,143.425)
HDIN: CHDIN.1 FPGA.J1_88 | length 116.4
  Top Layer w0.156: FPGA.J1_88@140.016,98.101 v1(141.85,98.101)
  Int2 (Sign) w0.142: v1(141.85,98.101) 144.101,98.101 166.8,120.8 184.8,120.8 197.1,133.1 197.1,157.4 201.7,162 209.55,162 213.045,165.495 v1(214.238,165.495)
HEN9: JP1_U_CardSlot9.11 U5.6 | length 8.7
  Int2 (Sign) w0.142: JP1_U_CardSlot9.11@209.143,145.985 217.427,145.985 217.55,145.862 v1(217.55,145.575)
HEN10: JP1_U_CardSlot10.11 U5.4 | length 14
  Int2 (Sign) w0.142: v1(219.45,145.575) 219.45,145.862 219.573,145.985 JP1_U_CardSlot10.11@233.143,145.985